# Altium PCB motordriver-v5.1.PcbDoc (part 4 of 8)
Units mil, origin at the board's own origin, x right, y up, seen from the top; angles counter-clockwise.
Board outline 4531.01 x 6141.73 mil, 6 copper layers (Top Copper, GND Layer 1, Signal Layer 1, Signal Layer 2, PWR Layer, Bottom Copper), stack 58.2 mil thick; 748 components, 531 nets, 2475 pads, 1059 vias.
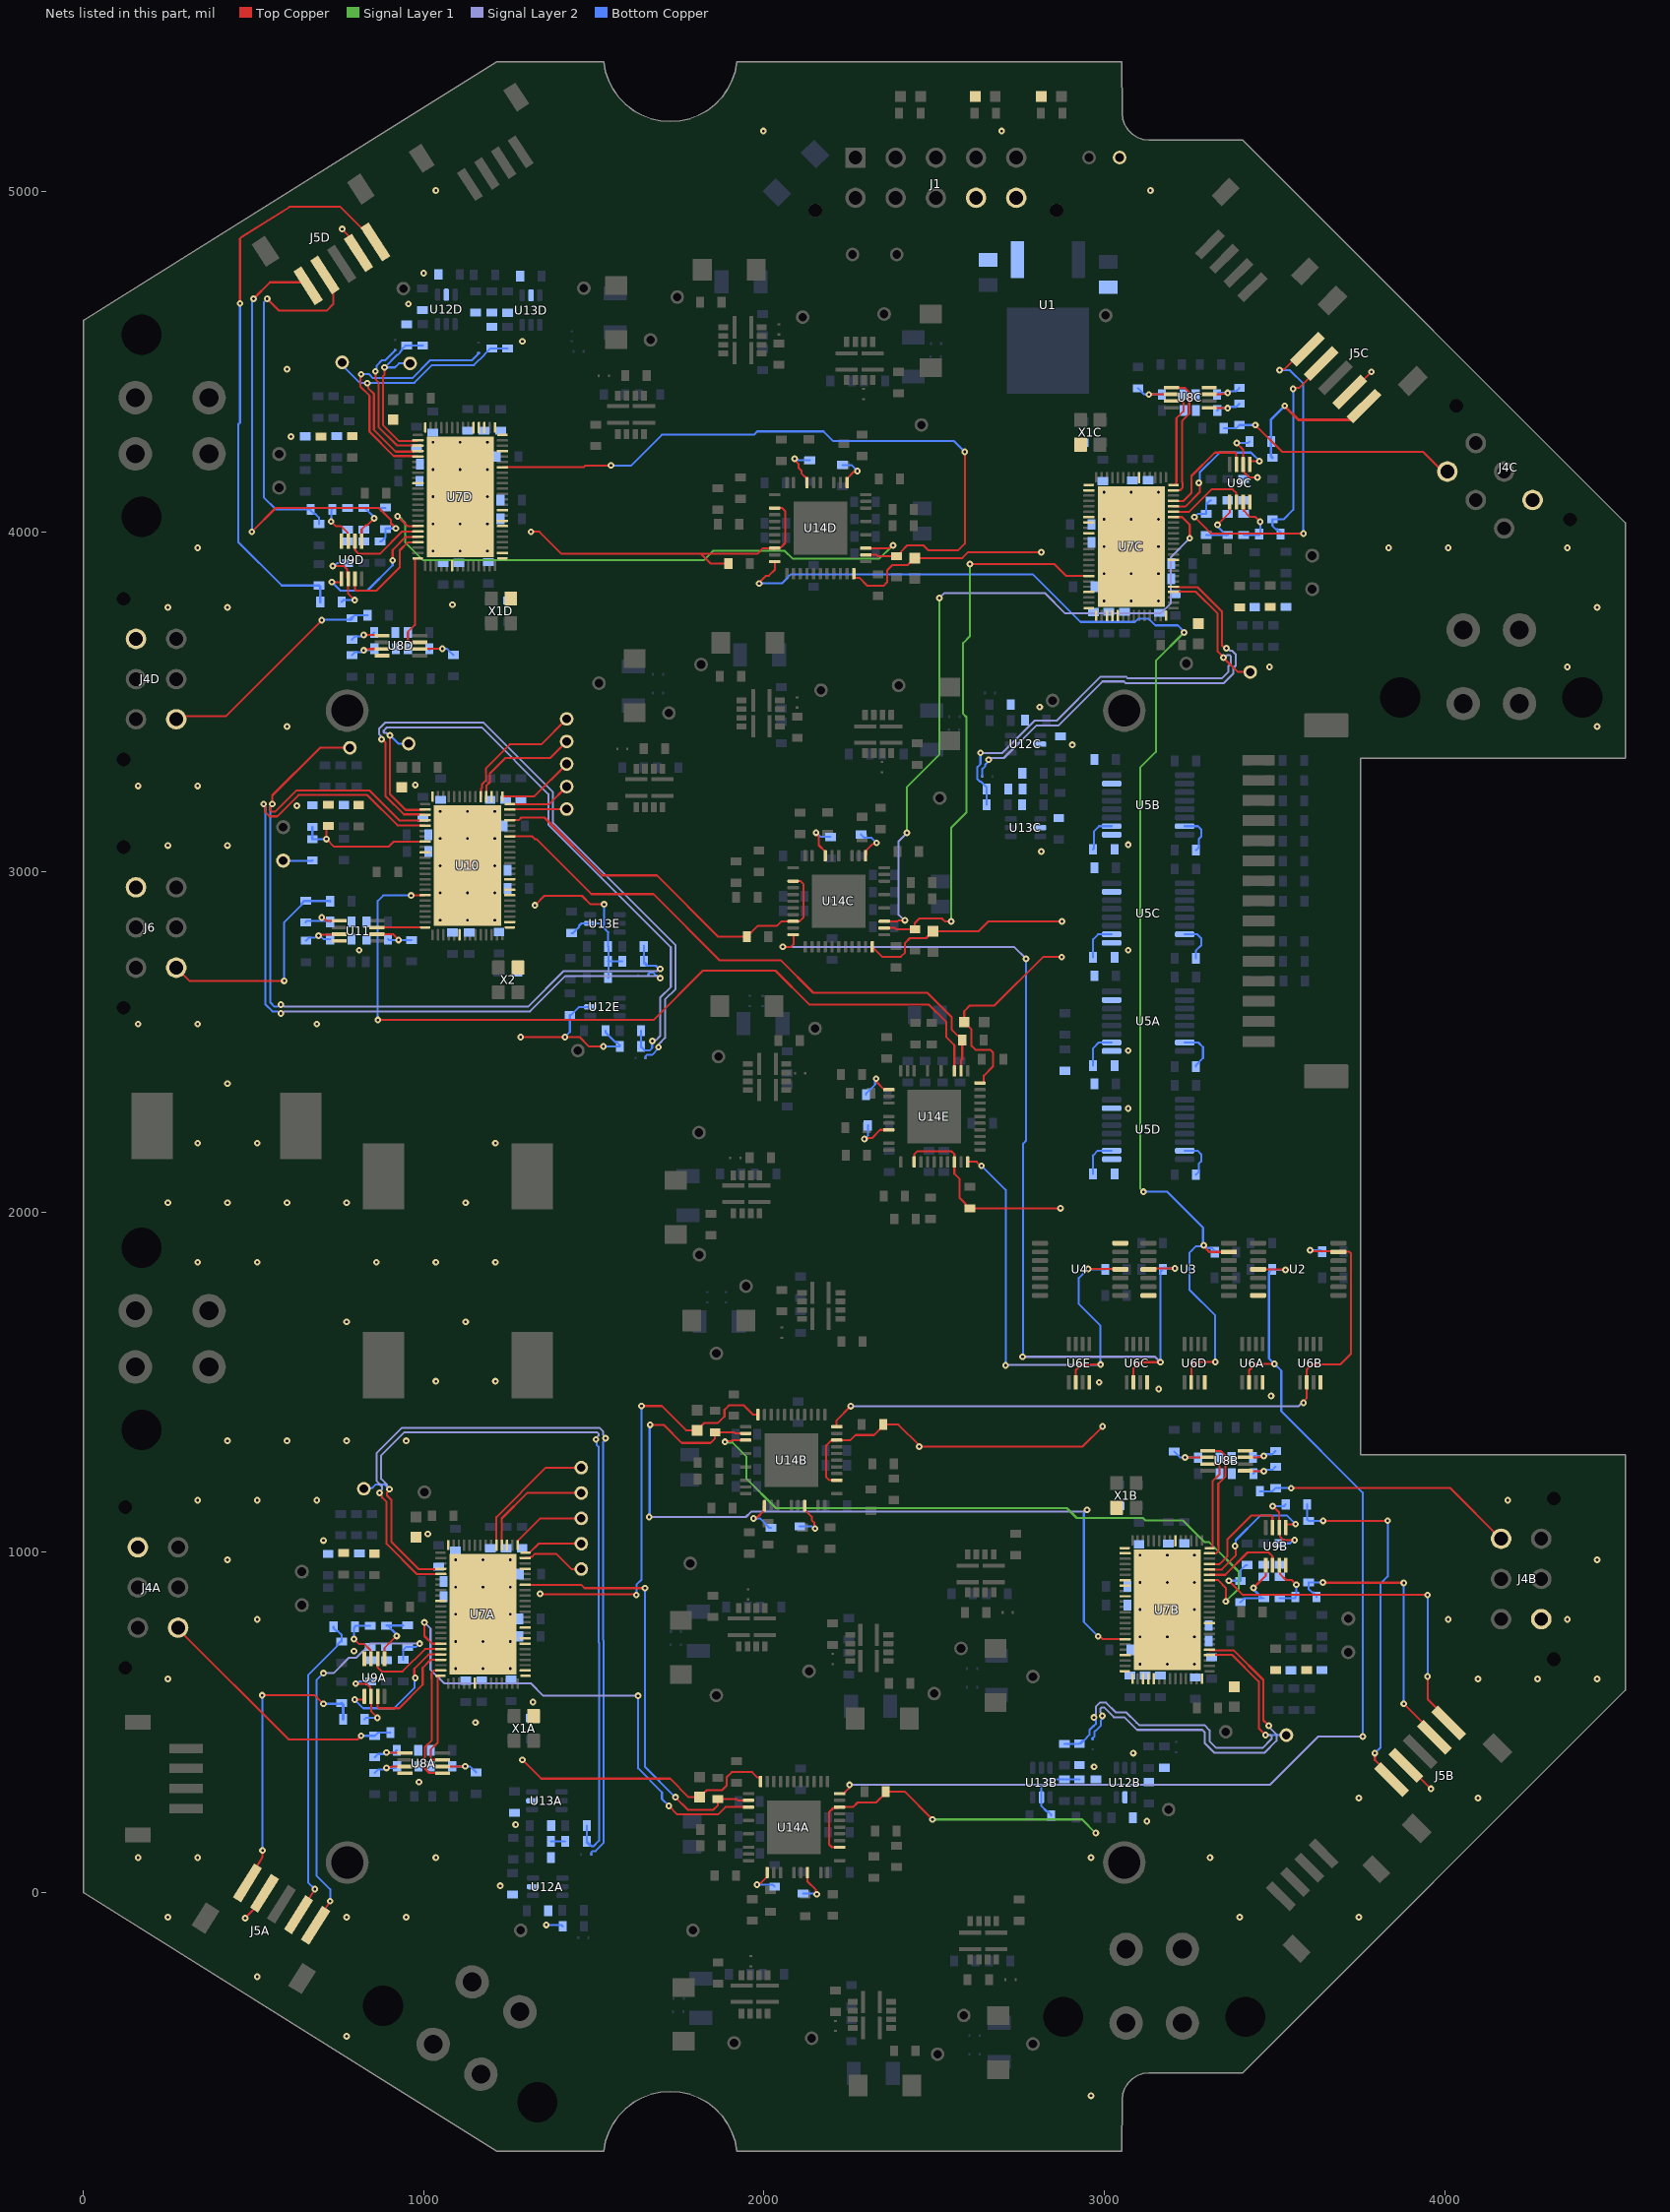
[diagram p8: the nets of this part, all layers, seen from the top]

## Via types
v1: diameter 19.68, hole 7.87, Top Copper to Bottom Copper, tented both sides, 714 vias
v2: diameter 19.68, hole 7.87, Top Copper to Bottom Copper, 243 vias
v3: diameter 30, hole 15, Top Copper to Bottom Copper, tented both sides, 73 vias
v4: diameter 31.5, hole 17.72, Top Copper to Bottom Copper, tented both sides, 29 vias

## Nets (pads, with @x,y where several pads share a name; then routed paths per layer and width w, separated by ;. In a path a pad name is that pad's centre, name@x,y a point inside that pad or via, vN(x,y) a via of type N, cw(c..) or ccw(c..) an arc to the next point about the centre after c; other vN are vias at no path point) (continued)
CUR_UD_N: NT8D.1 U7D.17 | length 398
  Top Copper w6: v1(858.18,4471.38) 858.18,4447.96 866.8,4439.34 866.8,4308.22 920.85,4254.17 966.36,4254.17 966.65,4253.89 981.97,4253.89 U7D.17@983.05,4252.8
  Bottom Copper w6: v1(858.18,4471.38) 860.99,4474.19 860.99,4487.84 877.22,4504.07 886.99,4504.07 NT8D.1@916.49,4533.57
CUR_UD_P: C53D.2 R55D.2 TP11D.1 U7D.16 | length 516.1
  Top Copper w6: v1(884.99,4483.07) 884.99,4461.81 879.8,4456.62 879.8,4313.61 926.23,4267.17 966.36,4267.17 966.65,4267.46 981.97,4267.46 U7D.16@983.05,4268.55
  Bottom Copper w6: TP11D.1@960,4495 927.02,4495 915.09,4483.07 v1(884.99,4483.07) 922.49,4520.57 924.34,4520.57 930.49,4526.72 930.49,4528.57 936.74,4534.82 936.74,4537.76 946.05,4547.08 C53D.2@949.99,4547.08 950.49,4547.57 R55D.2@996.99,4547.57
CUR_UE_N: NT8E.1 U10.17 | length 1925.4
  Top Copper w6: v1(875.98,3390.23) 877.5,3390.23 887.61,3380.11 887.61,3223.38 941.66,3169.33 987.17,3169.33 987.46,3169.04 1002.78,3169.04 U10.17@1003.86,3167.96
  Signal Layer 2 w6: v1(875.98,3390.23) 873.36,3392.84 873.36,3400.09 868.65,3404.8 868.65,3421.37 886.27,3439 1175.8,3439 1380,3234.8 1380,3144.8 1740,2784.8 1740,2656 1709,2625 1709,2512.26 1692.62,2495.88 1692.62,2487.62 v1(1690,2485)
  Bottom Copper w6: NT8E.1@1652,2453 1652,2458.74 1655.51,2462.25 1670.54,2462.25 1690,2481.72 v1(1690,2485)
CUR_UE_P: C53E.2 R55E.2 TP20.1 U10.16 | length 1978.5
  Top Copper w6: v1(900.61,3401.92) 900.61,3228.77 947.04,3182.33 987.17,3182.33 987.46,3182.62 1002.78,3182.62 U10.16@1003.86,3183.71
  Signal Layer 2 w6: v1(900.61,3401.92) 896.91,3401.92 889.84,3408.99 884.26,3408.99 882.65,3410.6 882.65,3415.57 892.07,3425 1170,3425 1366,3229 1366,3139 1726,2779 1726,2661.8 1695,2630.8 1695,2518.06 1682.72,2505.78 1674.46,2505.78 v1(1671.84,2503.16)
  Bottom Copper w6: v1(900.61,3401.92) 925.3,3377.23 TP20.1@955.8,3377.23 ; R55E.2@1638.5,2534 1638.5,2487.5 C53E.2@1638.99,2487 ; C53E.2@1647,2478.99 C53E.2@1638.99,2487 ; v1(1671.84,2503.16) 1671.16,2502.48 1671.16,2482.67 1664.74,2476.25 1647.8,2476.25 1638.99,2485.06 C53E.2@1638.99,2487
CUR_WA_N: NT9A.1 U7A.19 | length 2452.5
  Top Copper w6: v1(870,1175) 870,1172.5 877.85,1164.64 877.85,1160.9 891,1147.75 891,1024.97 979.66,936.3 U7A.19@1050.05,936.3
  Signal Layer 2 w6: v1(870,1175) 870,1177.95 877.4,1185.36 877.4,1193.84 861,1210.25 861,1291 936.36,1366.36 1515.78,1366.36 1527.5,1354.64 1527.5,1345.36 1534.43,1338.43 v1(1534.43,1335.57)
  Bottom Copper w6: NT9A.1@1492,112 1492,118.38 1495.73,122.12 1504.65,122.12 1529,146.46 1529,740.43 1527.5,741.93 1527.5,1324.93 1534.43,1331.87 v1(1534.43,1335.57)
CUR_WA_P: C56A.2 R56A.2 TP12A.1 U7A.18 | length 2519.1
  Top Copper w6: v1(899.26,1185.54) 899.26,1182.59 891.85,1175.18 891.85,1166.7 905,1153.55 905,1030.77 984.59,951.18 1049.18,951.18 U7A.18@1050.05,952.05
  Signal Layer 2 w6: v1(899.26,1185.54) 899.26,1188.05 891.4,1195.9 891.4,1199.64 875,1216.05 875,1285.2 942.16,1352.36 1509.99,1352.36 1513.5,1348.84 1513.5,1343.25 1506,1335.75 v1(1506,1332.04)
  Bottom Copper w6: TP12A.1@823.99,1187.07 826.9,1189.98 849.48,1189.98 859.5,1200 884.8,1200 v1(899.26,1185.54) ; R56A.2@1478.99,197 C56A.2@1478.99,151.01 ; C56A.2@1488,142 C56A.2@1479,151 ; v1(1506,1332.04) 1508.62,1329.43 1508.62,1315.12 1513.5,1310.23 1513.5,736.13 1515,734.63 1515,152.26 1498.85,136.12 1493.88,136.12 1491.75,138.25 1487.81,138.25 1479,147.06 C56A.2@1479,151
CUR_WB_N: NT9B.1 U7B.19 | length 1104.3
  Top Copper w6: U7B.19@3308.93,713.65 3310.01,712.56 3325.33,712.56 3325.62,712.27 3379.98,712.27 3467.18,625.08 3467.18,506.69 v1(3482.99,490.88)
  Signal Layer 2 w6: v1(2994.47,519.88) 2994.47,523.58 2988.87,529.17 2988.87,540.93 2992.39,544.44 2999.57,544.44 3028.2,515.82 3059,515.82 3075,499.82 3096.5,478.31 3288.3,478.31 3295,471.61 3295,439.2 3323.2,411 3470.8,411 3505.99,446.19 3505.99,465.01 3482.99,488.01 v1(3482.99,490.88)
  Bottom Copper w6: NT9B.1@2966,450.82 2964.45,452.37 2968.23,456.15 2970.48,458.4 2970.48,472.35 2973.99,475.86 2975.03,475.86 2989.38,490.21 2989.38,505.43 2995.48,511.53 2995.48,518.86 v1(2994.47,519.88)
CUR_WB_P: C56B.2 R56B.2 TP12B.1 U7B.18 | length 1233
  Top Copper w6: U7B.18@3308.93,697.9 3310.01,698.99 3325.33,698.99 3325.62,699.27 3374.6,699.27 3451.99,621.88 3454.18,619.69 3454.18,482.69 v1(3473.99,462.88)
  Signal Layer 2 w6: v1(2969.28,514.85) 2969.28,518.56 2974.87,524.15 2974.87,546.73 2986.59,558.44 3005.37,558.44 3034,529.82 3064.8,529.82 3094.8,499.82 3102.3,492.31 3294.1,492.31 3309,477.41 3309,445 3329,425 3465,425 3491.99,451.99 3491.99,459.21 3488.48,462.72 3474.15,462.72 v1(3473.99,462.88)
  Bottom Copper w6: R56B.2@2882.81,437 2926,437 C56B.2@2927,438 ; C56B.2@2936,447 C56B.2@2927,438 ; 2968.2,489.86 2969.23,489.86 2975.38,496.01 2975.38,505.05 2969.28,511.15 v1(2969.28,514.85) ; 2968.2,490.04 2956.48,478.33 2956.48,464.38 2954.23,462.13 2948.23,456.13 2948.23,455.3 2930.94,438 C56B.2@2927,438 ; v1(3473.99,462.88) TP12B.1@3534.99,462.88
CUR_WC_N: NT9C.1 U7C.19 | length 1268
  Top Copper w6: U7C.19@3202.93,3838.54 3204.01,3837.45 3219.33,3837.45 3219.62,3837.17 3273.98,3837.17 3346.29,3764.86 3346.29,3665.68 3349.22,3662.75 3350.28,3662.75 3355.03,3658 v1(3359,3658)
  Signal Layer 2 w6: v1(2660,3330.08) 2663.7,3330.08 2668.55,3334.93 2704.72,3334.93 2800.8,3431 2866,3431 2995,3560 3057.41,3560 3062.41,3555 3350.8,3555 3379,3583.2 3379,3599.75 3386.36,3607.11 3386.36,3639.17 3374.64,3650.88 3369.36,3650.88 3362.24,3658 v1(3359,3658)
  Bottom Copper w6: NT9C.1@2641.01,3281.06 2641.01,3302.5 2650,3311.49 2650,3316.38 2660,3326.38 v1(2660,3330.08)
CUR_WC_P: C56C.2 R56C.2 TP12C.1 U7C.18 | length 1466.9
  Top Copper w6: U7C.18@3202.93,3822.79 3204.01,3823.88 3219.33,3823.88 3219.62,3824.17 3268.6,3824.17 3333.29,3759.48 3333.29,3648.25 3350,3631.54 v1(3350,3630) 3392.22,3587.78 TP12C.1@3428.99,3587.78
  Signal Layer 2 w6: v1(2636,3350) 2637.07,3348.93 2698.93,3348.93 2795,3445 2860.2,3445 2989.2,3574 3064,3574 3069,3569 3345,3569 3365,3589 3365,3605.55 3372.36,3612.91 3372.36,3633.37 3368.84,3636.88 3360.36,3636.88 3353.47,3630 v1(3350,3630)
  Bottom Copper w6: v1(2636,3350) 2636,3317.29 2627.01,3308.3 2627.01,3273 2634.45,3265.56 2637.08,3265.56 2654.38,3248.26 C56C.2@2654.38,3244.33 2654.38,3198.18 R56C.2@2653.83,3197.64
CUR_WD_N: NT9D.1 U7D.19 | length 737.2
  Top Copper w6: v1(816,4463.07) 813.66,4460.73 813.66,4427.24 840.52,4400.38 840.52,4294.15 912,4222.68 966.36,4222.68 966.65,4222.39 981.97,4222.39 U7D.19@983.05,4221.3
  Bottom Copper w6: v1(816,4463.07) 839.84,4463.07 851.11,4451.8 966.8,4451.8 1019,4504 1142.02,4504 1162.54,4524.52 NT9D.1@1160.99,4526.07
CUR_WD_P: C56D.2 R56D.2 TP12D.1 U7D.18 | length 868.9
  Top Copper w6: v1(834,4437.07) 836.81,4434.26 836.81,4422.48 853.52,4405.76 853.52,4299.54 917.38,4235.68 966.36,4235.68 966.65,4235.97 981.97,4235.97 U7D.18@983.05,4237.05
  Bottom Copper w6: TP12D.1@762.35,4487.96 812.98,4437.33 v1@833.75,4437.33 ; TP12D.1@764.03,4494.45 TP12D.1@764.03,4513.96 ; v1(834,4437.07) 848.77,4437.07 ; 848.84,4437 848.77,4437.07 ; R56D.2@1245.99,4539.08 C56D.2@1199.99,4539.07 1196.05,4539.07 1178.76,4521.77 1178.76,4520.94 1147.82,4490 1024.8,4490 972.6,4437.8 849.5,4437.8 848.77,4437.07
CUR_WE_N: NT9E.1 U10.19 | length 2421.5
  Top Copper w6: v1(529.32,3200) 529.32,3196.3 535.16,3190.45 535.16,3175.36 546.87,3163.64 569.86,3163.64 632.21,3226 834,3226 922.66,3137.34 989.3,3137.34 989.59,3137.05 1003.91,3137.05 U10.19@1004.49,3136.46
  Signal Layer 2 w6: v1(580,2584.31) 583.7,2584.31 589.55,2590.16 1312.53,2590.16 1416.87,2694.5 1684.8,2694.5 1691.3,2688 v1(1695,2688)
  Bottom Copper w6: v1(529.32,3200) 529.32,3196.3 535.16,3190.45 535.16,2610.36 555.36,2590.16 570.45,2590.16 576.3,2584.31 v1(580,2584.31) ; NT9E.1@1660,2698 1660,2700.99 1663.51,2704.5 1673.61,2704.5 1683.11,2695 1684.3,2695 1691.3,2688 v1(1695,2688)
CUR_WE_P: C56E.2 R56E.2 TP21.1 U10.18 | length 2757.8
  Top Copper w6: TP21.1@782.99,3365.07 695.07,3365.07 555,3225 v1(555,3200) 555,3196.3 549.16,3190.45 549.16,3181.16 552.67,3177.64 564.06,3177.64 626.41,3240 839.8,3240 928.46,3151.34 989.3,3151.34 989.59,3151.62 1003.91,3151.62 U10.18@1004.49,3152.21
  Signal Layer 2 w6: v1(580,2610) 583.7,2610 589.55,2604.16 1306.73,2604.16 1411.07,2708.5 1684.8,2708.5 1691.3,2715 v1(1695,2715)
  Bottom Copper w6: v1(555,3200) 555,3196.3 549.16,3190.45 549.16,2616.16 561.16,2604.16 570.45,2604.16 576.3,2610 v1(580,2610) ; R56E.2@1646.99,2783 C56E.2@1646.99,2737.01 ; C56E.2@1656,2728 C56E.2@1647,2737 ; v1(1695,2715) 1691.39,2715 1681.89,2724.5 1655.81,2724.5 1647,2733.31 C56E.2@1647,2737
CVA: C63A.1 U14A.35 | length 115.8
  Top Copper w6: U14A.35@2127.43,58.54 2127.43,32.81 2152.38,7.85 2152.38,-2.38 v1(2155,-5)
  Bottom Copper w6: C63A.1@2115,-2.99 2152.99,-2.99 v1(2155,-5)
CVB: C63B.1 U14B.35 | length 127.8
  Top Copper w6: U14B.35@2119.55,1137.28 2119.55,1125.47 2140,1105.02 2140,1095 2147.38,1087.62 2147.38,1072.62 v1(2150,1070)
  Bottom Copper w6: C63B.1@2105,1077.01 2139.29,1077.01 2146.3,1070 v1(2150,1070)
CVC: C63C.1 U14C.35 | length 126.6
  Top Copper w6: v1(2152.61,3115.56) 2152.61,3111.86 2160.67,3103.79 2160.67,3079.12 2180.07,3059.72 U14C.35@2180.07,3047.91
  Bottom Copper w6: v1(2152.61,3115.56) 2154.12,3115.56 2166.69,3102.99 C63C.1@2195,3102.99
CVD: C63D.1 U14D.35 | length 132.4
  Top Copper w6: v1(2090,4215) 2090,4211.3 2101.31,4199.99 2101.31,4188.69 2110,4180 2110,4172.37 2125.97,4156.4 U14D.35@2125.97,4144.59
  Bottom Copper w6: v1(2090,4215) 2095,4210 C63D.1@2135,4210
CVE: C63E.1 U14E.35 | length 126.8
  Top Copper w6: v1(2295,2215) 2297.62,2217.62 2316.93,2217.62 2341.35,2242.04 U14E.35@2366.47,2242.04
  Bottom Copper w6: v1(2295,2215) 2305,2225 C63E.1@2305,2255
CWA: C71A.1 U14A.30 | length 105.6
  Top Copper w6: v1(1979.35,23.14) 1981.97,25.76 1988.34,25.76 2009.31,46.73 U14A.30@2009.31,58.54
  Bottom Copper w6: v1(1979.35,23.14) 2025.84,23.14 C71A.1@2031.21,17.77
CWB: C71B.1 U14B.30 | length 118.2
  Top Copper w6: v1(1968.98,1099.94) 1971.79,1102.75 1980.03,1102.75 1999.02,1121.74 1999.02,1134.86 U14B.30@2001.44,1137.28
  Bottom Copper w6: v1(1968.98,1099.94) 1988.13,1099.94 2016.06,1072.01 C71B.1@2020,1072.01
CWC: C71C.1 U14C.30 | length 111.5
  Top Copper w6: U14C.30@2298.18,3047.91 2300.61,3050.33 2300.61,3063.46 2319.59,3082.44 2327.83,3082.44 v1(2330.64,3085.25)
  Bottom Copper w6: C71C.1@2285,3110 2293.81,3101.19 2314.71,3101.19 v1(2330.64,3085.25)
CWD: C71D.1 U14D.30 | length 102.9
  Top Copper w6: U14D.30@2244.08,4144.59 2244.08,4156.4 2263.69,4176.02 2271.99,4176.02 v1(2274.61,4178.63)
  Bottom Copper w6: C71D.1@2230.67,4196.47 2256.77,4196.47 v1(2274.61,4178.63)
CWE: C71E.1 U14E.30 | length 115.3
  Top Copper w6: v1(2329.12,2392.61) 2331.93,2389.8 2331.93,2381.56 2350.92,2362.58 2364.04,2362.58 U14E.30@2366.47,2360.15
  Bottom Copper w6: C71E.1@2300,2345 2300,2348.94 2326.5,2375.44 2326.5,2389.99 v1(2329.12,2392.61)
D\B\G\S\P\I\_\C\S\E: TP22.1 U10.75 | length 168
  Top Copper w6: U10.75@1252.53,3183.71 1253.11,3184.29 1419.29,3184.29 TP22.1@1420,3185
DBGSPI.DBGSPI_MISO: TP4.1 U7A.4 | length 343.6
  Top Copper w6: U7A.4@1229.19,1020.95 1229.19,1099.74 1304.01,1174.57 TP4.1@1462.99,1174.57
DBGSPI.DBGSPI_MOSI: TP3.1 U7A.1 | length 226.4
  Top Copper w6: U7A.1@1276.43,1021.58 1276.43,1034.09 1342.4,1100.07 TP3.1@1462.99,1100.07
DBGSPI.DBGSPI_SCK: TP2.1 U7A.76 | length 175.2
  Top Copper w6: U7A.76@1298.71,999.3 1311.23,999.3 1337.5,1025.57 TP2.1@1462.99,1025.57
DBGSPI.DBGSPI_TRG: TP5.1 U7A.5 | length 392.6
  Top Copper w6: U7A.5@1213.44,1020.95 1213.44,1103.79 1358.72,1249.07 TP5.1@1462.99,1249.07
DBGSPI.~DBGSPI_CS: TP1.1 U7A.75 | length 187.8
  Top Copper w6: U7A.75@1298.08,983.55 1311.23,983.55 1314.39,986.71 1317.49,986.71 1325.78,995 1390,995 1433.93,951.07 TP1.1@1462.99,951.07
DBGSPI_MISOB: U7B.4
DBGSPI_MISOC: U7C.4
DBGSPI_MISOD: U7D.4
DBGSPI_MISOE: TP25.1 U10.4 | length 337.4
  Top Copper w6: U10.4@1183.63,3221.11 1183.63,3253.44 1194.26,3264.08 1194.26,3289.26 1240,3335 1371.25,3335 TP25.1@1420,3383.75
DBGSPI_MOSIB: U7B.1
DBGSPI_MOSIC: U7C.1
DBGSPI_MOSID: U7D.1
DBGSPI_MOSIE: TP24.1 U10.1 | length 228.8
  Top Copper w6: U10.1@1230.87,3221.74 1324.24,3221.74 TP24.1@1420,3317.5
DBGSPI_SCKB: U7B.76
DBGSPI_SCKC: U7C.76
DBGSPI_SCKD: U7D.76
DBGSPI_SCKE: TP23.1 U10.76 | length 188.3
  Top Copper w6: U10.76@1253.16,3199.45 1368.2,3199.45 TP23.1@1420,3251.25
DBGSPI_TRGB: U7B.5
DBGSPI_TRGC: U7C.5
DBGSPI_TRGD: U7D.5
DBGSPI_TRGE: TP26.1 U10.5 | length 387.2
  Top Copper w6: U10.5@1167.88,3221.11 1167.88,3243.76 1171.63,3247.51 1171.63,3258.42 1182.26,3269.05 1182.26,3304.23 1253.03,3375 1345,3375 TP26.1@1420,3450
DIS1A: R14A.1 U5A.7 | length 124.8
  Bottom Copper w6: U5A.7@3236.06,2498.74 3276.26,2498.74 3290,2485 3290,2452.67 3269.53,2432.2 R14A.1@3269.53,2428.26
DIS1B: R14B.1 U5B.7 | length 120.1
  Bottom Copper w6: U5B.7@3236.06,3134.74 3275.26,3134.74 3285,3125 3285,3104.34 3278.34,3097.68 3278.34,3073.07 R14B.1@3269.53,3064.26
DIS1C: R14C.1 U5C.7 | length 118.9
  Bottom Copper w6: U5C.7@3236.06,2816.74 3273.26,2816.74 3285,2805 3285,2785 3269.53,2769.53 R14C.1@3269.53,2746.26
DIS1D: R14D.1 U5D.7 | length 119.5
  Bottom Copper w6: U5D.7@3236.06,2180.74 3274.26,2180.74 3285,2170 3285,2149.84 3278.34,2143.18 3278.34,2119.07 R14D.1@3269.53,2110.26
DIS2A: R15A.1 U5A.10 | length 112.7
  Bottom Copper w6: R15A.1@2967,2430.74 2967,2482 2983.74,2498.74 U5A.10@3021.5,2498.74
DIS2B: R15B.1 U5B.10 | length 112.1
  Bottom Copper w6: R15B.1@2967,3066.74 2970,3069.74 2970,3120 2984.74,3134.74 U5B.10@3021.5,3134.74
DIS2C: R15C.1 U5C.10 | length 113.9
  Bottom Copper w6: R15C.1@2967,2748.74 2967,2802 2981.74,2816.74 U5C.10@3021.5,2816.74
DIS2D: R15D.1 U5D.10 | length 114.4
  Bottom Copper w6: R15D.1@2967,2112.74 2967,2167 2980.74,2180.74 U5D.10@3021.5,2180.74
DRB_TEMPE: C33.2 R45.2 R54.1 U10.22 | length 423.2
  Top Copper w6: C33.2@720,3135 714.31,3129.31 v1(714.31,3096.72) 736.8,3074.23 896.15,3074.23 911.14,3089.22 U10.22@1003.86,3089.22
  Bottom Copper w6: R54.1@672.8,3132.73 R45.2@672.8,3096.72 v1(714.31,3096.72)
DRB_THERME: R41.1 R45.1 | length 86.1
  Bottom Copper w6: R41.1@587,3033.07 672.14,3033.07 R45.1@672.8,3033.73
DRV_C\S\A: R2.2 U2.4 U6A.2 U14A.10 | length 3341.9
  Top Copper w6: U14A.10@2221.91,290.83 2233.72,290.83 2248.7,305.8 2248.7,314.04 v1(2251.31,316.66) ; U6A.2@3425.24,1500.07 3425.24,1535.32 3443.99,1554.07 v1(3499.99,1554.07) ; U2.4@3451.88,1832.07 3452.38,1831.57 3530.87,1831.57 v1(3532.17,1830.27)
  Signal Layer 2 w6: v1(2251.31,316.66) 2251.81,317.16 3487.16,317.16 3628.93,458.93 3759.22,458.93 v1(3759.43,458.72)
  Bottom Copper w6: v1(3532.17,1830.27) 3494.79,1830.27 R2.2@3492.99,1832.07 3484,1823.08 3484,1570.06 v1(3499.99,1554.07) 3520,1534.06 3520,1415 3758.97,1176.03 3758.97,459.18 v1(3759.43,458.72)
DRV_C\S\B: R4.2 U2.13 U6B.2 U14B.10 | length 2119.7
  Top Copper w6: U14B.10@2214.04,1369.57 2214.04,1371.06 2213.12,1371.99 2213.12,1388.12 v1(2255,1430) ; v1(3585,1440) 3585,1443.7 3594.99,1453.7 U6B.2@3594.99,1500.07 3594.99,1538.07 3609.29,1552.37 3693,1552.37 3724.72,1584.09 3724.72,1878.75 3719.81,1883.66 U2.13@3687.69,1883.66 ; v1(3604.63,1888.25) 3607.13,1885.75 3685.6,1885.75 U2.13@3687.69,1883.66 ; U2.13@3688.1,1883.25 U2.13@3687.69,1883.66
  Signal Layer 2 w6: v1(2255,1430) 3571.3,1430 3581.3,1440 v1(3585,1440)
  Bottom Copper w6: v1(3604.63,1888.25) 3635.81,1888.25 R4.2@3639.99,1884.07
DRV_C\S\C: R6.2 U3.4 U6C.2 U14C.10 | length 2901.1
  Top Copper w6: v1(2055,2780) 2079.6,2780 2086.51,2786.91 2086.51,2813.21 2085.59,2814.13 U14C.10@2085.59,2815.63 ; U6C.2@3085.74,1500.07 3085.74,1541.82 3102.99,1559.07 v1(3164.99,1559.07) ; U3.4@3129.88,1832.07 3132.69,1834.88 v1(3207.84,1834.82) v1(3207.84,1834.82)
  Signal Layer 2 w6: v1(2055,2780) 2735,2780 v1(2770,2745) ; v1(2760,1575) 3149.06,1575 v1(3164.99,1559.07)
  Bottom Copper w6: v1(2760,1575) 2761.82,1576.82 2761.82,2201.82 2770,2210 v1(2770,2745) ; v1(3164.99,1559.07) 3164.99,1825.08 R6.2@3171.98,1832.07 3177.41,1837.5 3180.1,1834.82 v1(3207.84,1834.82)
DRV_C\S\D: R8.2 U3.13 U6D.2 U14D.10 | length 4055.7
  Top Copper w6: v1(1985.77,3848.18) 1985.77,3850.77 2005.95,3870.95 2014.07,3870.95 2032.4,3889.28 2032.4,3909.89 2031.48,3910.81 U14D.10@2031.48,3912.31 ; U6D.2@3255.49,1500.07 3255.49,1543.57 3271.99,1560.07 v1(3325.99,1560.07) ; v1(3292.52,1902.52) 3292.52,1898.82 3308.09,1883.25 U3.13@3366.1,1883.25
  Signal Layer 1 w6: v1(3115,2060) 3115,2060.43 3105.08,2070.36 3105.08,3306.56 3151.41,3352.9 3151.41,3620.88 v1(3234.48,3703.95)
  Bottom Copper w6: v1(1985.77,3848.18) 2052.32,3848.18 2079.14,3875 2790,3875 2930,3735 3090,3735 3100,3745 3130,3745 3150,3725 3216.08,3725 3234.48,3706.6 v1(3234.48,3703.95) ; v1(3115,2060) 3185,2060 3290.08,1954.92 v1@3290.08,1902.52 ; v1(3292.52,1902.52) v1@3290.08,1902.52 ; R8.2@3324.99,1882.07 3324.99,1886.01 3316.18,1894.82 3298.89,1894.82 3293.7,1900 v1@3290,1900 ; v1(3325.99,1560.07) 3325.99,1696.42 3250,1772.41 3250,1880 3257.05,1887.06 3270,1900 v1@3290,1900 ; v1@3290,1900 3290.08,1900.08 v1@3290.08,1902.52
DRV_C\S\E: R10.2 U4.4 U6E.2 U14E.10 | length 1522.7
  Top Copper w6: U14E.10@2598.75,2147.56 2600.25,2147.56 2601.17,2148.48 2624.62,2148.48 2636.54,2136.56 v1(2639.07,2136.56) ; U6E.2@2915.99,1500.07 2915.99,1535.99 2932.16,1552.16 v1(2988.99,1552.16) ; v1(2952.61,1833.56) 2952.93,1833.24 3045.93,1833.24 U4.4@3047.1,1832.07
  Signal Layer 2 w6: v1(2710,1550) 2711.08,1551.08 2987.91,1551.08 v1(2988.99,1552.16)
  Bottom Copper w6: v1(2639.07,2136.56) 2710,2065.63 v1(2710,1550) ; v1(2952.61,1833.56) 2951.8,1833.56 2925,1806.76 2925,1730 2988.99,1666.01 v1(2988.99,1552.16) ; v1@2953.05,1834 2954.99,1832.07 R10.2@3002.99,1832.07
DRV_EN: U10.32 U14E.24 | length 2442.8
  Top Copper w6: v1(865,2565) 1675,2565 1820,2710 2033.62,2710 2133.62,2610 2485,2610 2535,2560 2535,2515.28 2559.38,2490.9 U14E.24@2559.38,2415.27 ; v1(962.99,2931.07) 963.32,2931.4 1003.53,2931.4 U10.32@1003.86,2931.74
  Bottom Copper w6: v1(865,2565) 865,2915 881.07,2931.07 v1(962.99,2931.07)
DRV_ENA: U7A.32 U14A.24 | length 1499.8
  Top Copper w6: v1(1001.99,794.07) 1001.99,754.07 1024.48,731.58 U7A.32@1050.05,731.58 ; v1(1720,255) 1745,230 1865,230 1886.46,251.46 U14A.24@1954.2,251.46
  Signal Layer 2 w6: v1(1001.99,794.07) 1020,776.06 1020,655 1060,615 1315,615 1351.52,578.48 v1(1630,578.48)
  Bottom Copper w6: v1(1630,578.48) 1630,365 1700,295 1700,275 v1(1720,255)
DRV_ENB: U7B.32 U14B.24 | length 1970.3
  Top Copper w6: v1(1885,1325) 1887.1,1327.1 1903.84,1327.1 1906.84,1330.1 1946.22,1330.1 U14B.24@1946.32,1330.2 ; U7B.32@3308.93,918.37 3334.5,918.37 3356.99,895.88 v1(3356.99,855.88)
  Signal Layer 1 w6: v1(1885,1325) 1886.84,1323.16 1906.84,1323.16 1947.52,1282.48 1947.52,1217.48 2035,1130 2890,1130 2918.96,1101.04 3113.96,1101.04 3121.51,1093.49 3231.51,1093.49 3295,1030 3308.56,1030 3395,943.56 3395,893.89 v1(3356.99,855.88)
DRV_ENC: U7C.32 U14C.24 | length 2102.5
  Top Copper w6: U14C.24@2353.3,2855 2392.44,2855 2395.43,2858 v1(2414.28,2858) ; U7C.32@3202.93,4043.27 3228.5,4043.26 3250.99,4020.78 v1(3250.99,3980.78)
  Signal Layer 1 w6: v1(2420,3115) 2420,3250 2515,3345 v1(2515,3805)
  Signal Layer 2 w6: v1(2414.28,2858) 2412,2858 2395.67,2874.33 2395.67,3090.67 v1(2420,3115) ; v1(2515,3805) 2530,3820 2825,3820 2885,3760 3165,3760 3195.56,3790.56 3195.56,3925.35 v1(3250.99,3980.78)
DRV_END: U7D.32 U14D.24 | length 1736.7
  Top Copper w6: v1(922.84,4045.55) 951.81,4016.58 U7D.32@983.05,4016.58 ; U14D.24@2299.19,3951.68 2367.26,3951.68 2375.46,3959.88 v1(2379.17,3959.88)
  Signal Layer 1 w6: v1(922.84,4045.55) 926.54,4045.55 945,4027.1 945,3970 998.84,3916.16 1822.8,3916.16 1850.87,3944.23 2060.6,3944.23 2084.31,3920.51 2338.31,3920.51 2377.68,3959.88 v1(2379.17,3959.88)
ENC_A_CTRLA: U7A.35 U9A.7 | length 306.6
  Top Copper w6: U9A.7@864.83,576.86 864.83,545 867.76,542.07 927.99,542.07 996.82,610.9 996.82,660.98 1020.17,684.34 U7A.35@1050.05,684.34
ENC_A_CTRLB: U7B.35 U9B.7 | length 306.6